# KiCad board TRS80_Model_I_Jap20_E1.kicad_pcb (continued)
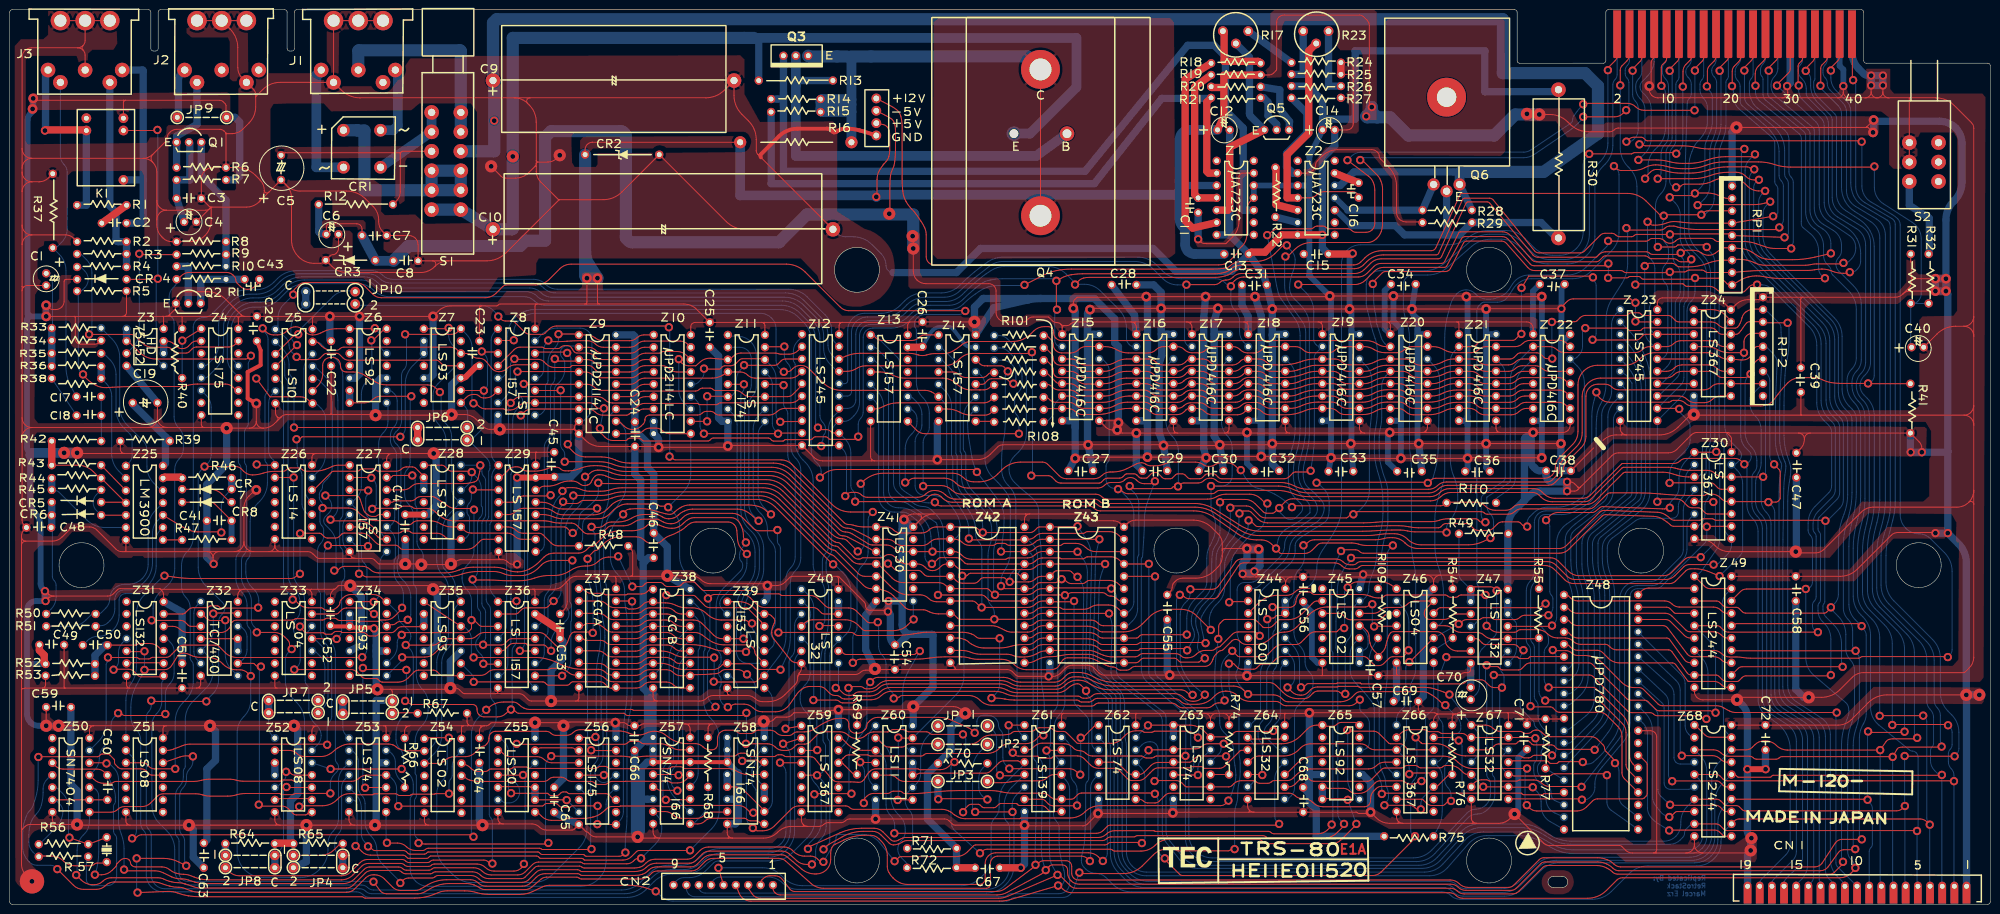
[diagram p0: board, top side]
## Routing (per net, layer and track width the routed paths; a pad name or vN(x,y) marks a point on that pad's centre or on a via; arc(x,y) is an arc through that point) (continued)
  Bottom w0.2: Z10.12 139.89,101.87 arc(139.83,101.88) 139.78,101.92 138.66,103.04 arc(137.79,104.34) 137.49,105.86 v2(137.49,112.13)
/Video/Video Latch/VD3: length 33.1
  Top w0.2: v2(150.9,110.89) 150.91,110.88 arc(150.93,110.87) 150.94,110.86 157.19,110.86 arc(157.57,110.94) 157.9,111.16 158.54,111.8 arc(158.94,112.07) 159.4,112.16 Z12.3 ; v2(143.3,99.33) Z10.11 ; v2(143.33,104.49) 147.44,104.49 arc(147.49,104.48) 147.53,104.45 Z11.6
  Bottom w0.2: v2(143.3,99.33) 143.3,104.45 arc(143.31,104.46) 143.32,104.48 v2(143.33,104.49) ; Z11.6 147.89,104.41 arc(148.18,104.47) 148.43,104.64 148.78,104.98 arc(149.2,105.62) 149.35,106.36 149.35,108.02 arc(149.55,109.03) 150.12,109.89 150.82,110.58 arc(150.88,110.67) 150.9,110.78 v2(150.9,110.89)
/Video/Video Latch/VD4: length 39.7
  Top w0.2: Z12.4 162.11,108.92 arc(161.34,108.4) 160.43,108.22 153.17,108.22 arc(152.34,108.39) 151.64,108.86 arc(150.93,109.33) 150.1,109.49 Z11.4 146.56,108.86 arc(145.49,108.38) 144.34,108.22 130.51,108.22 arc(129.68,108.06) 128.98,107.59 arc(128.28,107.12) 127.45,106.95 124.58,106.95
/Video/Video Latch/VD5: length 40.4
  Top w0.2: Z12.5 162.81,106.93 arc(162.78,106.79) 162.7,106.67 160.88,104.84 arc(160.4,104.52) 159.84,104.41 Z11.11 152.15,104.41 arc(151.32,104.58) 150.62,105.05 arc(149.92,105.52) 149.09,105.68 145.07,105.68 arc(144.75,105.75) 144.49,105.92 arc(144.22,106.1) 143.9,106.17 142.38,106.17 arc(141.99,106.09) 141.66,105.86 arc(141.32,105.64) 140.93,105.56 130.33,105.56 arc(129.58,105.41) 128.95,104.99 arc(128.31,104.56) 127.56,104.41 124.58,104.41
/Video/Video Latch/VD6: length 121.5
  Top w0.2: Z12.6 162.11,103.84 arc(161.34,103.32) 160.43,103.14 146.06,103.14 arc(145.81,103.09) 145.6,102.95 arc(145.39,102.81) 145.14,102.76 141.89,102.76 arc(141.72,102.8) 141.57,102.89 arc(141.43,102.99) 141.26,103.02 130.46,103.02 arc(129.71,102.87) 129.07,102.45 arc(128.43,102.02) 127.68,101.87 124.58,101.87
  Bottom w0.2: 124.58,101.87 123.82,101.11 arc(123.26,100.27) 123.06,99.27 123.06,83.79 arc(122.92,82.47) 122.52,81.2 arc(122.05,79.94) 121.72,78.64 121.57,77.84 arc(121.26,75.7) 121.16,73.54 121.16,69.44 arc(121.22,67.46) 121.41,65.49 arc(121.6,63.51) 121.66,61.53 121.66,60.89 arc(121.74,59.46) 121.98,58.06 arc(122.22,56.65) 122.3,55.23 122.3,54.82 arc(122.21,52.99) 121.94,51.17 121.92,51.07 arc(121.63,49.16) 121.54,47.23 121.54,36.61 arc(121.59,36.36) 121.73,36.15 arc(121.87,35.94) 121.92,35.69 121.92,30.52 arc(121.7,29.44) 121.09,28.53 120.81,28.24 arc(120.41,27.65) 120.27,26.94 arc(120.41,26.24) 120.81,25.64 120.96,25.49 arc(121.46,25.15) 122.05,25.04 arc(122.63,25.15) 123.13,25.49 124.07,26.43 arc(124.22,26.53) 124.39,26.56 124.58,26.56
/Video/Video Latch/VD7: length 121.5
  Top w0.2: 124.58,99.33 124.93,99.33 arc(125.24,99.27) 125.51,99.09 126.2,98.4 arc(127.03,97.85) 128,97.66 128.01,97.66 arc(128.98,97.85) 129.79,98.39 130.2,98.8 arc(130.44,99.17) 130.53,99.6 130.53,99.67 arc(130.6,100.04) 130.81,100.35 arc(131.12,100.56) 131.48,100.63 141.34,100.63 arc(141.84,100.73) 142.26,101.01 arc(142.69,101.29) 143.18,101.39 143.96,101.39 arc(144.46,101.29) 144.88,101.01 arc(145.3,100.73) 145.8,100.63 156,100.63 arc(156.9,100.81) 157.66,101.31 arc(158.42,101.82) 159.31,102 Z12.7 ; Z56.4 122.05,26.56 arc(122.07,26.57) 122.08,26.57 v2(122.1,26.59)
  Bottom w0.2: v2(122.1,26.59) 122.39,26.88 arc(122.6,27.2) 122.68,27.58 122.68,48.01 arc(122.73,49.42) 122.87,50.82 arc(123.01,52.22) 123.06,53.63 123.06,61.3 arc(122.93,63.5) 122.55,65.68 arc(122.17,67.85) 122.05,70.05 122.05,74.82 arc(122.16,76.46) 122.49,78.06 122.72,78.87 arc(123.02,79.6) 123.51,80.22 arc(124.05,80.81) 124.54,81.46 125.92,83.46 arc(126.28,84.13) 126.49,84.85 arc(126.59,85.62) 126.62,86.39 126.62,96.73 arc(126.42,97.73) 125.86,98.57 125.27,99.15 arc(125.07,99.29) 124.84,99.33 124.58,99.33
/Video/Video Latch/~{VCLR}: length 199.7
  Top w0.2: v2(119.56,11.35) 119.51,11.31 arc(119.47,11.27) 119.41,11.26 109.54,11.26 arc(109.37,11.3) 109.22,11.39 arc(109.08,11.49) 108.91,11.53 86,11.53 arc(85.7,11.47) 85.44,11.3 arc(85.19,11.13) 84.89,11.07 83.37,11.07 arc(82.38,11.27) 81.53,11.83 arc(80.69,12.39) 79.69,12.59 78.22,12.59 arc(78.18,12.6) 78.15,12.62 arc(78.13,12.64) 78.09,12.64 v2(77.52,12.64) ; v2(119.56,77.62) 119.61,77.57 arc(119.66,77.53) 119.73,77.51 120.92,77.51 arc(121.65,77.66) 122.27,78.07 arc(122.89,78.49) 123.62,78.63 125,78.63 arc(126.43,78.83) 127.76,79.41 arc(129.09,79.98) 130.52,80.18 132.48,80.18 arc(133.29,80.07) 134.03,79.74 134.21,79.63 arc(134.77,79.38) 135.38,79.29 135.48,79.29 arc(136.01,79.34) 136.51,79.48 arc(136.98,79.72) 137.38,80.05 137.42,80.09 arc(137.86,80.46) 138.36,80.75 138.64,80.89 arc(139.47,81.18) 140.34,81.27 149.56,81.27 arc(150.47,81.16) 151.31,80.84 arc(152.09,80.34) 152.79,79.74 153.55,78.98 arc(153.65,78.91) 153.77,78.89 v2(153.9,78.89) ; v2(120.37,34.41) 120.33,34.37 arc(120.29,34.34) 120.24,34.33 117.96,34.33 arc(117.86,34.31) 117.78,34.26 arc(117.69,34.2) 117.59,34.18 Z56.1
  Bottom w0.2: v2(153.9,78.89) 152.89,79.89 arc(152.15,81) 151.89,82.31 151.89,102.7 arc(152.09,103.7) 152.65,104.54 arc(153.22,105.38) 153.41,106.38 153.41,112.96 arc(153.12,114.45) 152.27,115.72 arc(151,116.56) 149.51,116.86 148.01,116.86 arc(147.84,116.89) 147.7,116.99 Z11.1 ; v2(119.56,11.35) 119.56,11.91 arc(119.53,12.02) 119.47,12.12 arc(119.4,12.22) 119.38,12.34 119.38,26.92 arc(119.59,28) 120.2,28.91 arc(120.81,29.83) 121.03,30.9 121.03,33.28 arc(120.94,33.71) 120.7,34.08 v2(120.37,34.41) 120.37,34.6 arc(120.4,34.78) 120.5,34.93 120.58,35.01 arc(120.61,35.07) 120.58,35.13 arc(120.54,35.2) 120.52,35.29 120.52,46.96 arc(120.63,49.03) 120.97,51.07 121.04,51.43 arc(121.32,53.11) 121.41,54.82 121.41,55.29 arc(121.33,56.52) 121.09,57.74 arc(120.85,58.96) 120.78,60.19 120.78,62.17 arc(120.71,63.77) 120.52,65.36 arc(120.33,66.95) 120.27,68.56 120.27,75.84 arc(120.17,76.31) 119.91,76.7 119.75,76.86 arc(119.61,77.08) 119.56,77.34 v2(119.56,77.62) ; v2(77.52,12.64) 77.43,12.73 arc(77.36,12.83) 77.34,12.95 Z53.8
/Video/Video Mixer/SYNC: length 104.1
  Top w0.2: Z32.3 37.21,57.17 arc(36.93,57.23) 36.69,57.38 36.08,57.99 arc(35.64,58.29) 35.13,58.39 29.2,58.39 arc(29.18,58.39) 29.17,58.4 v2(29.16,58.41) ; C43.2 51.31,128.29 arc(51.26,128.05) 51.13,127.86 50.38,127.11 arc(49.69,126.65) 48.88,126.49 arc(48.07,126.65) 47.38,127.11 46.74,127.75 arc(46.53,128.07) 46.45,128.44 arc(46.38,128.82) 46.17,129.14 45.9,129.41 arc(45.28,129.82) 44.55,129.97 36.95,129.97 arc(36.03,129.78) 35.24,129.25 34.61,128.63 arc(34.52,128.56) 34.41,128.54 R11.1
  Bottom w0.2: v2(29.16,58.41) 29.31,58.57 arc(29.42,58.73) 29.46,58.93 29.46,60.86 arc(29.89,62.81) 31.09,64.41 32.21,65.37 arc(33.46,67.03) 33.91,69.06 33.91,89.44 arc(34.14,90.6) 34.8,91.59 arc(35.45,92.57) 35.69,93.73 35.69,95.7 arc(35.44,96.94) 34.73,98 arc(34.03,99.05) 33.78,100.3 33.78,119.57 arc(33.65,120.23) 33.27,120.8 arc(32.9,121.36) 32.76,122.02 32.76,124.93 arc(32.96,125.92) 33.53,126.77 33.93,127.17 arc(34.19,127.57) 34.29,128.03 R11.1
/Video/Video Mode/HCLK: length 255.6
  Top w0.2: v2(147.57,40.56) 147.81,40.56 arc(148.04,40.6) 148.23,40.73 148.36,40.86 arc(148.7,41.09) 149.1,41.17 150.88,41.17 arc(151.91,40.96) 152.78,40.38 arc(153.65,39.8) 154.68,39.59 157.4,39.59 arc(158.28,39.71) 159.1,40.06 arc(159.82,40.6) 160.41,41.29 161.53,42.95 arc(162.11,43.65) 162.79,44.25 arc(163.57,44.66) 164.44,44.8 166.28,44.8 arc(167.04,44.65) 167.69,44.22 168.46,43.44 arc(169.01,43.07) 169.66,42.94 169.85,42.94 arc(170.32,42.85) 170.71,42.59 arc(171.11,42.33) 171.57,42.23 172.9,42.23 arc(173.29,42.31) 173.63,42.54 arc(173.97,42.76) 174.37,42.84 176.79,42.84 arc(177.93,43.07) 178.9,43.72 arc(179.87,44.37) 181.02,44.6 202.81,44.6 arc(203.93,44.46) 204.98,44.05 arc(206.03,43.64) 207.15,43.5 215.25,43.5 arc(215.88,43.57) 216.48,43.78 216.62,43.85 arc(217.04,44.1) 217.42,44.41 arc(217.79,44.73) 218.21,44.98 218.55,45.16 arc(218.96,45.31) 219.39,45.36 arc(219.8,45.28) 220.15,45.04 221.15,44.05 arc(221.17,44.01) 221.18,43.96 v2(221.18,43.91) ; v2(66.7,68.65) 67.03,68.65 arc(67.33,68.71) 67.59,68.88 67.79,69.08 arc(68.27,69.4) 68.83,69.51 72.48,69.51 arc(73.36,69.34) 74.1,68.84 arc(74.85,68.34) 75.73,68.17 89.42,68.17 arc(90.9,68.31) 92.33,68.75 arc(93.75,69.19) 95.24,69.34 99.6,69.34 arc(100.81,69.21) 101.98,68.85 arc(103.15,68.49) 104.36,68.37 104.39,68.37 arc(105.62,68.52) 106.79,68.96 106.82,68.98 arc(107.92,69.67) 108.9,70.51 109.79,71.41 arc(110.23,71.76) 110.72,72.02 arc(111.26,72.18) 111.82,72.23 116.88,72.23 arc(117.78,72.41) 118.54,72.92 118.97,73.34 arc(119.25,73.54) 119.59,73.6 arc(119.93,73.67) 120.22,73.86 121.59,75.23 arc(123.36,76.41) 125.44,76.83 127.87,76.83 arc(128.76,76.91) 129.63,77.13 129.94,77.24 arc(130.44,77.49) 130.88,77.84 arc(131.33,78.15) 131.87,78.25 132.07,78.25 arc(132.83,78.18) 133.56,77.96 134.36,77.64 arc(135.14,77.41) 135.95,77.34 136.14,77.34 arc(136.76,77.4) 137.35,77.6 arc(137.9,77.9) 138.38,78.31 138.58,78.51 arc(139.04,78.9) 139.55,79.23 arc(140.1,79.45) 140.69,79.52 148.23,79.52 arc(148.96,79.38) 149.58,78.96 arc(150.06,78.36) 150.4,77.66 150.55,77.22 arc(150.72,76.59) 150.77,75.94 150.77,75.64 arc(150.84,75.31) 151.03,75.03 151.15,74.9 arc(151.25,74.76) 151.28,74.59 v2(151.28,74.42) ; v2(64.87,84.07) 71.12,84.07 arc(71.42,84.01) 71.68,83.84 arc(71.87,83.59) 72.01,83.3 72.71,81.13 arc(72.84,80.85) 73.03,80.61 arc(73.26,80.39) 73.5,80.19 73.65,80.08 arc(74.07,79.85) 74.54,79.78 75.06,79.78 arc(75.31,79.82) 75.52,79.97 arc(75.74,80.11) 75.98,80.16 Z27.12
  Bottom w0.2: v2(147.57,40.56) 147.37,40.56 arc(147.18,40.59) 147.02,40.7 146.54,41.18 arc(146.08,41.87) 145.92,42.68 145.92,44.54 arc(145.95,44.71) 146.05,44.85 arc(146.14,44.99) 146.18,45.16 146.18,46.27 arc(146.11,46.6) 145.92,46.88 arc(145.73,47.16) 145.67,47.5 145.67,48.68 arc(145.73,49.01) 145.92,49.29 arc(146.11,49.58) 146.18,49.91 146.18,50.74 arc(146.04,51.4) 145.67,51.96 arc(145.29,52.52) 145.16,53.19 145.16,61.27 arc(145.57,63.35) 146.75,65.11 150.17,68.53 arc(150.5,69.03) 150.62,69.62 150.62,69.8 arc(150.54,70.22) 150.3,70.57 arc(150.07,70.92) 149.99,71.33 149.99,71.87 arc(150.15,72.72) 150.63,73.44 151.16,73.97 arc(151.25,74.1) 151.28,74.25 v2(151.28,74.42) ; v2(66.7,68.65) 66.88,68.83 arc(67.01,69.02) 67.05,69.26 67.05,74.04 arc(66.72,75.7) 65.78,77.11 64.87,78.02 arc(64.61,78.42) 64.51,78.89 arc(64.61,79.36) 64.87,79.75 65.54,80.42 arc(66,81.11) 66.16,81.93 66.16,81.94 arc(66,82.76) 65.54,83.45 64.94,84.05 arc(64.92,84.06) 64.9,84.07 v2(64.87,84.07) ; v2(221.18,43.91) 221.18,43.58 arc(221.24,43.27) 221.41,43.02 221.78,42.65 arc(222.22,41.99) 222.38,41.21 222.38,33.07 arc(222.47,32.57) 222.76,32.15 222.91,31.99 arc(223.16,31.83) 223.45,31.77 Z62.3
Net-(C1-Pad1): length 19.6
  Bottom w0.2: C1.1 8.14,129.12 arc(8.62,128.4) 8.79,127.55 8.79,118.78 arc(8.77,118.68) 8.71,118.59 arc(8.65,118.5) 8.63,118.4
  Bottom w1.5: 8.63,118.4 R36.2
Net-(C2-Pad1): length 6.3
  Top w1.5: R1.1 C2.1
Net-(C2-Pad2): length 43.2
  Bottom w1.5: 27.43,149 27.43,171.38 arc(27.41,171.46) 27.37,171.53 27.33,171.56 arc(27.3,171.59) 27.26,171.6 J3.3 ; 27.43,149 27.43,140.1 C2.2 ; 27.43,149 27.42,148.99 K1.3
Net-(C5-Pad2): length 42.9
  Top w0.2: 80.26,154.36 80.26,146.55 arc(80.06,145.56) 79.5,144.71 R12.2 ; 80.26,154.36 arc(80.3,154.56) 80.41,154.73 ; 80.26,154.36 arc(80.2,154.52) 80.05,154.58 ; C5.2 56.01,154.32 arc(56.29,154.51) 56.62,154.58 80.05,154.58 ; S1.10 80.78,154.88 arc(80.58,154.84) 80.41,154.73 ; 80.05,154.58 arc(80.25,154.62) 80.41,154.73
Net-(C17-Pad2): length 9.2
  Bottom w0.2: R42.1 18.81,95.29 arc(18.82,95.3) 18.83,95.33 18.83,100.51 arc(18.82,100.53) 18.81,100.55 arc(18.8,100.57) 18.79,100.59 C17.2
Net-(C18-Pad2): length 9.2
  Bottom w0.2: R38.1 C18.2
Net-(C40-Pad1): length 218.1
  Top w0.2: v2(383.18,151.76) 383.12,151.7 arc(383.05,151.65) 382.97,151.63 365.91,151.63 arc(364.26,151.77) 362.65,152.17 arc(361.04,152.56) 359.38,152.7 352.3,152.7 arc(350.42,152.52) 348.61,152 arc(346.8,151.48) 344.92,151.3 343.78,151.3 arc(342.28,151.4) 340.8,151.7 340.42,151.8 arc(339.33,152.02) 338.22,152.09 arc(337.14,151.96) 336.12,151.57 336,151.5 arc(334.86,151.07) 333.65,150.92 331.23,150.92 arc(330.63,151.04) 330.12,151.38 v2(329.66,151.83)
  Bottom w0.2: C40.1 390.73,114.66 arc(390.67,114.75) 390.65,114.86 390.65,123.08 ; v2(329.66,151.83) 330.19,151.31 arc(330.57,150.74) 330.71,150.06 330.71,138.19 arc(330.29,136.11) 329.11,134.34 325.04,130.27 arc(323.28,129.09) 321.19,128.68 312.66,128.68 arc(311.54,128.53) 310.51,128.08 arc(309.61,127.39) 308.89,126.51 308.01,125.11 arc(307.02,124.18) 305.71,123.84 302.95,123.84 arc(302.77,123.82) 302.61,123.75 arc(302.46,123.64) 302.32,123.52 301.97,123.18 arc(301.62,122.65) 301.5,122.03 301.5,66.07 arc(301.55,65.83) 301.69,65.61 arc(301.83,65.4) 301.88,65.15 301.88,59.34 arc(301.71,58.51) 301.24,57.8 300.74,57.3 arc(300.59,57.2) 300.42,57.17 Z47.4 ; 390.65,123.08 arc(390.8,123.44) 391.16,123.59 ; 390.65,123.08 arc(390.8,123.44) 391.16,123.59 ; v2(383.18,151.76) 383.18,147.48 arc(383.67,145.55) 385.03,144.09 390.96,140.27 arc(392.32,138.82) 392.81,136.88 392.81,125.54 arc(392.66,124.79) 392.24,124.16 392.03,123.95 arc(391.63,123.68) 391.16,123.59 ; 391.16,123.59 R32.1
Net-(C50-Pad1): length 19.8
  Top w0.2: Z31.10 31.52,52.09 arc(31.43,52.11) 31.35,52.16 30.64,52.86 arc(29.79,53.44) 28.77,53.64 26.65,53.64 arc(26.43,53.6) 26.25,53.47 arc(26.07,53.35) 25.85,53.31 20.13,53.31 arc(20.12,53.31) 20.11,53.3 C50.1
  Bottom w1.5: C50.1 19.61,53.29 17.52,51.2 R52.1 R53.2
Net-(C50-Pad2): length 33.7
  Bottom w0.2: Z25.9 30.8,76.79 arc(30.28,76.02) 30.1,75.1 30.1,69.58 arc(29.68,67.5) 28.5,65.74 27.88,65.11 arc(26.54,64.22) 24.95,63.9 23.78,63.9 arc(23.28,63.8) 22.86,63.52 arc(22.58,63.1) 22.48,62.6 22.48,59.47 arc(22.15,57.81) 21.21,56.41 21.02,56.22 arc(19.82,55.42) 18.4,55.14 18.18,55.14 arc(16.97,54.9) 15.94,54.21 C50.2
Net-(C57-Pad2): length 42
  Top w0.2: Z47.6 297.55,52.09 arc(296.57,52.28) 295.74,52.84 295.5,53.08 arc(295.12,53.64) 294.99,54.3 arc(294.86,54.96) 294.49,55.51 294.46,55.54 arc(293.87,55.94) 293.17,56.08 284.37,56.08 arc(284.05,56.01) 283.77,55.83 arc(283.56,55.56) 283.4,55.25 283.2,54.71 arc(282.96,53.98) 282.8,53.24 arc(282.57,52.55) 282.14,51.96 281.33,51.15 arc(281.27,51.06) 281.25,50.96 C57.2 ; Z45.11 277.61,57.3 arc(277.83,57.25) 278.02,57.13 278.89,56.26 arc(279.23,55.75) 279.35,55.15 arc(279.39,54.51) 279.51,53.87 279.57,53.62 arc(279.9,52.8) 280.44,52.09 280.88,51.65 arc(281.1,51.32) 281.18,50.94 281.18,50.52
  Bottom w0.2: Z45.11 278.25,56.41 arc(278.91,55.42) 279.14,54.26 279.14,53.52 arc(279.04,53.02) 278.76,52.6 278.74,52.58 arc(278.34,52.31) 277.87,52.22 arc(277.51,52.07) 277.37,51.71
  Bottom w1.5: 277.37,51.71 Z45.8
Net-(C60-Pad1): length 46.6
  Top w0.2: Z50.3 9.41,28.45 arc(10.13,27.97) 10.97,27.81 17.94,27.81 arc(18.75,27.64) 19.44,27.18 C60.1
  Bottom w0.2: 16.13,9.93 15.94,9.73 arc(15.8,9.52) 15.75,9.27 15.75,5.13 arc(15.85,4.63) 16.13,4.21 arc(16.55,3.93) 17.05,3.83 20.02,3.83 arc(20.76,3.98) 21.4,4.4 arc(21.82,5.03) 21.97,5.78 21.97,13.54 arc(21.89,13.95) 21.65,14.31 arc(21.42,14.66) 21.33,15.07 21.33,20.2 arc(21.38,20.45) 21.52,20.66 arc(21.67,20.87) 21.71,21.12 21.71,21.99 arc(21.59,23.1) 21.22,24.16 C60.1
Net-(C60-Pad2): length 23.5
  Top w0.2: C60.2 8.76,21.48
  Bottom w0.2: 5.97,12.34 6.03,12.34 arc(6.09,12.35) 6.14,12.38 9.43,15.68 arc(10.07,16.46) 10.54,17.35 10.61,17.54 arc(10.84,18.32) 10.92,19.13 arc(10.77,19.9) 10.34,20.54 9.62,21.26 arc(9.37,21.42) 9.08,21.48 8.76,21.48
Net-(C70-Pad1): length 45.1
  Top w0.2: 300.23,64.79 300.48,65.04 arc(300.76,65.23) 301.09,65.3 304.26,65.3 arc(304.76,65.2) 305.18,64.92 v2(305.56,64.53)
  Bottom w0.2: R49.2 297.81,67.94 arc(297.95,67.26) 298.34,66.68 300.23,64.79 ; v2(305.56,64.53) 305.56,56.24 arc(305.43,55.57) 305.05,55.01 302.58,52.53 arc(302.15,51.9) 302,51.15 302,44.81 arc(301.83,43.94) 301.34,43.21 C70.1
  Bottom w1.5: 300.23,64.79 300.23,62.25
Net-(CR1-+): length 50.3
  Bottom w2.5: CR1.1 71.39,159.21 arc(71.43,159.21) 71.47,159.18 arc(71.5,159.16) 71.54,159.15 72.9,159.15 72.9,147.01 arc(72.91,146.96) 72.93,146.92 arc(72.98,146.89) 73.03,146.88 S1.8 ; S1.8 S1.5 S1.4 S1.9 S1.8
Net-(CR1--): length 16.8
  Bottom w2: S1.12 S1.11 CR1.4
Net-(CR1-Pad2): length 15.6
  Bottom w2: J1.3 79.5,171.34 arc(79.69,171.06) 79.75,170.73 79.75,160.16 78.81,159.21 CR1.2
Net-(CR1-Pad3): length 27
  Bottom w2: CR1.3 63,151.59 63,170.59 J1.1 63.75,171.34 arc(63.56,171.06) 63.5,170.73
Net-(CR4-A): length 62.7
  Top w0.2: v2(30.35,159.28) 30.29,159.21 arc(30.22,159.17) 30.13,159.15 K1.2 ; CR4.2 30.21,128.54 arc(30.29,128.56) 30.36,128.61 v2(30.43,128.67)
  Bottom w0.2: 31.62,110.76 30.86,111.53 arc(30.3,112.37) 30.1,113.36 30.1,127.93 arc(30.14,128.14) 30.26,128.33 30.36,128.43 arc(30.41,128.5) 30.43,128.58 v2(30.43,128.67) 30.43,159.15 arc(30.42,159.2) 30.39,159.24 v2(30.35,159.28)
Net-(CR5-A): length 28.1
  Top w0.2: CR5.2 23.66,82.7 arc(23.74,82.68) 23.81,82.63 18.89,87.55 arc(18.78,87.62) 18.65,87.65 arc(18.53,87.67) 18.42,87.75 17.18,88.98 arc(15.7,89.97) 13.96,90.32 R43.1
  Top w1.5: R43.1 R42.2
Net-(CR5-K): length 24
  Bottom w0.2: R50.1 8.51,60.72 arc(9.26,61.85) 9.52,63.18 9.52,65.65 arc(9.42,66.14) 9.14,66.57 arc(8.86,66.99) 8.76,67.49 8.76,77.06 arc(8.73,77.22) 8.63,77.36 8.57,77.43
  Bottom w1.5: CR5.1 8.63,77.71 arc(8.62,77.62) 8.57,77.55 arc(8.54,77.49) 8.57,77.43
Net-(CR6-A): length 11.5
  Top w0.2: CR6.2 Z25.5
  Bottom w0.2: R45.2 17.82,84.26 arc(17.32,83.51) 17.14,82.63 arc(17.32,81.75) 17.82,81.01 CR6.2
Net-(CR7-A): length 55.4
  Top w0.2: Z25.10 35.11,77.86 arc(35.95,77.39) 36.83,76.98 arc(37.74,76.7) 38.68,76.6 43.27,76.6 arc(43.35,76.58) 43.42,76.54 v2(43.48,76.47)
  Bottom w0.2: CR7.2 44.54,84.31 arc(43.76,83.14) 43.48,81.76 v2(43.48,76.47) ; Z25.10 30.41,78.95 arc(29.62,77.75) 29.34,76.34 29.34,70.22 arc(28.92,68.14) 27.74,66.37 27.2,65.83 arc(25.91,64.97) 24.38,64.66 23.54,64.66 arc(22.79,64.51) 22.16,64.09 arc(21.74,63.46) 21.59,62.71 21.59,60.76 arc(21.32,59.44) 20.57,58.31 20.18,57.92 arc(19.49,57.46) 18.67,57.3 17.87,57.3 arc(17.78,57.28) 17.71,57.23 R51.2
  Bottom w1.5: CR7.2 R46.1
Net-(CR7-K): length 11.1
  Top w0.2: CR8.2 45.43,82.7 arc(45.27,82.73) 45.14,82.81 43.61,84.35 arc(42.48,85.1) 41.16,85.36 35.43,85.36
Net-(CR8-K): length 15.6
  Top w0.2: C41.2 42.16,82.32 arc(41.74,82.6) 41.24,82.7 35.43,82.7
  Bottom w1.2: C41.2 R47.1
Net-(J1-Pad2): length 41.8
  Bottom w2.5: S1.2 S1.1 92.7,175.46 arc(92.68,175.54) 92.64,175.6 arc(92.57,175.64) 92.5,175.66 71.75,175.66 arc(71.66,175.62) 71.63,175.53 J1.2
Net-(J3-Pad1): length 38.5
  Top w1.5: K1.4 15.68,159.21 arc(15.61,159.26) 15.53,159.28 7.45,159.28 arc(7.37,159.26) 7.3,159.21 v2(7.24,159.15)
  Bottom w1.5: v2(7.24,159.15) 7.3,159.21 arc(7.35,159.28) 7.36,159.37 7.36,170.73 arc(7.43,171.06) 7.62,171.34 J3.1 ; R1.2 15.75,143.78 K1.4
Net-(JP1-B): length 28.6
  Bottom w0.2: R71.1 184.64,11.51 arc(184.83,11.55) 184.99,11.66 185.2,11.86 arc(185.45,12.25) 185.54,12.7 185.54,17.61 arc(185.35,18.61) 184.78,19.45 arc(184.22,20.29) 184.02,21.29 184.02,21.42 arc(184.22,22.42) 184.78,23.26 186.37,24.85 arc(186.98,25.76) 187.2,26.84 187.2,30.91 arc(187.61,32.99) 188.79,34.76 190.74,36.71 arc(190.75,36.72) 190.75,36.74 190.75,36.77
Net-(JP3-B): length 35.8
  Top w0.2: Z60.5 180.77,26.56 arc(181.61,26.39) 182.33,25.91 arc(183.05,25.43) 183.9,25.27 190.65,25.27 arc(190.69,25.26) 190.72,25.24 190.75,25.21 ; v2(190.83,21.61) 190.88,21.66 arc(190.94,21.7) 191,21.71 200.65,21.71 arc(200.75,21.69) 200.84,21.63 v2(200.91,21.56)
  Bottom w0.2: R70.1 200.02,28.09 arc(199.37,27.1) 199.13,25.94 199.13,24.03 arc(199.32,23.08) 199.86,22.28 200.47,21.67 arc(200.59,21.59) 200.75,21.56 v2(200.91,21.56)
  Bottom w1.5: 190.75,25.16 190.75,21.74 arc(190.76,21.69) 190.79,21.65 v2(190.83,21.61)
Net-(JP4-A-Pad1): length 11
  Top w0.2: JP4.1 63.8,10.05 arc(65.37,10.37) 66.71,11.26 67.73,12.28 arc(67.94,12.42) 68.18,12.47 R65.1
Net-(JP4-B): length 20.8
  Bottom w0.2: Z53.4 68.96,25.8 arc(68.4,24.96) 68.2,23.96 68.2,16.12 arc(68.02,15.21) 67.5,14.43 arc(66.98,13.66) 66.8,12.75 66.8,11.79 arc(66.93,11.12) 67.31,10.56 67.59,10.28 arc(67.84,10.11) 68.13,10.05
  Bottom w1.5: JP4.2 68.45,9.73 arc(68.36,9.96) 68.13,10.05
Net-(JP5-A-Pad3): length 5.3
  Top w0.2: 78.61,39.39 83.6,39.39 arc(83.68,39.37) 83.75,39.33 R67.1
Net-(JP5-B): length 8.2
  Bottom w0.2: Z53.1 69.09,34.82 arc(68.62,35.52) 68.45,36.35 68.45,39.39
  Bottom w1.5: 68.45,39.39 68.45,41.93
Net-(JP6-B): length 46.9
  Top w0.2: v2(58.42,98.06) 83.94,98.06
  Top w1.5: JP6.2 JP6.2
  Bottom w0.2: v2(58.42,98.06) 58.42,107.25 arc(58.29,107.91) 57.91,108.48 arc(57.53,109.04) 57.4,109.7 57.4,110.95 arc(57.04,112.77) 56.01,114.31 Z5.2
Net-(JP7-A-Pad3): length 12.1
  Bottom w0.2: Z33.10 62.42,52.09 arc(62.71,52.03) 62.96,51.86 63.75,51.07 arc(64.5,49.95) 64.77,48.62 64.77,43.88 arc(64.62,43.13) 64.2,42.5 63.71,42.02 arc(63.62,41.95) 63.5,41.93 63.37,41.93
Net-(JP7-B): length 8.2
  Bottom w0.2: Z52.1 53.85,34.82 arc(53.38,35.52) 53.21,36.35 JP7.2
  Bottom w1.5: JP7.2 JP7.2
Net-(JP8-A-Pad1): length 2.4
  Bottom w1.5: 44.32,12.47 44.32,10.03
Net-(JP8-B): length 22.6
  Top w0.2: v2(56.87,24.12) 56.92,24.07 arc(56.98,24.04) 57.04,24.02 Z52.10
  Bottom w0.2: v2(56.87,24.12) 56.56,23.82 arc(56.34,23.48) 56.26,23.08 56.26,13.07 arc(56.03,11.9) 55.37,10.92 54.93,10.47 arc(54.6,9.98) 54.48,9.4
  Bottom w1.5: 54.48,9.4 54.48,7.49
Net-(JP9-B): length 10.3
  Bottom w1.5: J2.1 35.3,170.96 arc(34.83,170.26) 34.67,169.43 34.67,162.51 arc(34.62,162.26) 34.48,162.05 34.29,161.86
Net-(JP10-A-Pad3): length 296.6
  Top w0.2: v2(100.4,120.9) 100.95,120.35 arc(101.36,120.08) 101.84,119.98 102.94,119.98 arc(103.48,119.88) 103.94,119.57 105.78,117.73 arc(106.33,117.36) 106.99,117.23 109.44,117.23 arc(109.74,117.29) 110,117.46 110.86,118.32 arc(111.55,118.78) 112.36,118.94 135.02,118.94 arc(135.19,118.91) 135.33,118.81 v2(135.46,118.69) ; v2(280.01,61.72) 279.77,61.72 arc(279.54,61.67) 279.35,61.54 279.25,61.44 arc(278.94,61.23) 278.57,61.16 270.86,61.16 arc(268.77,60.74) 267.01,59.56 264.5,57.05 arc(263.31,56.26) 261.9,55.98 arc(260.49,55.7) 259.3,54.9 259.1,54.71 arc(257.7,53.77) 256.04,53.44 254.18,53.44 arc(253.5,53.57) 252.92,53.96 252.73,54.14 arc(252.36,54.39) 251.93,54.48 arc(251.49,54.39) 251.13,54.14 249.34,52.35 arc(249.13,52.21) 248.88,52.17 arc(248.63,52.12) 248.42,51.98 247.87,51.42 arc(247.49,50.93) 247.24,50.37 247.22,50.32 arc(246.99,49.8) 246.64,49.35 arc(246.18,49.05) 245.64,48.94 231.36,48.94 arc(230.85,48.84) 230.41,48.55 arc(229.98,48.25) 229.46,48.15 228.3,48.15 arc(227.87,48.24) 227.51,48.48 arc(227.14,48.73) 226.71,48.81 226.68,48.81 arc(226.19,48.86) 225.73,49 225.3,49.18 arc(224.42,49.57) 223.57,50.02 223.39,50.12 arc(222.34,50.55) 221.21,50.69 217.38,50.69 arc(216.9,50.6) 216.49,50.32 arc(216.15,49.93) 215.87,49.5 215.65,49.12 arc(215.33,48.72) 214.91,48.46 arc(214.41,48.3) 213.9,48.25 208.97,48.25 arc(207.58,48.53) 206.4,49.32 arc(205.22,50.11) 203.82,50.39 198.98,50.39 arc(198.13,50.45) 197.29,50.64 arc(196.46,50.83) 195.6,50.9 192.17,50.9 arc(190.63,50.83) 189.1,50.65 arc(187.57,50.47) 186.03,50.41 174.79,50.41 arc(174.31,50.32) 173.9,50.04 173.63,49.77 arc(173.52,49.7) 173.39,49.68 v2(173.25,49.68) ; v2(177.34,80.69) 172.79,80.69 arc(170.71,81.1) 168.94,82.28 160.73,90.49 arc(159.72,91.17) 158.52,91.41 136.75,91.41 arc(136.59,91.44) 136.45,91.54 136,91.99 arc(135.88,92.07) 135.74,92.09 v2(135.58,92.09) ; v2(280.39,57.14) 280.41,57.17 arc(280.44,57.19) 280.48,57.19 284.41,57.19 arc(284.47,57.21) 284.53,57.25 arc(284.59,57.28) 284.65,57.3 Z46.4
  Bottom w0.2: v2(100.4,120.9) 100.4,121 arc(100.39,121.09) 100.33,121.17 99.35,122.15 arc(98.18,122.94) 96.81,123.21 71.72,123.21 arc(71.44,123.26) 71.2,123.42 70.99,123.63 ; v2(135.58,92.09) 135.61,92.12 arc(135.63,92.15) 135.63,92.18 135.63,118.38 arc(135.61,118.5) 135.55,118.6 v2(135.46,118.69) ; v2(177.34,80.69) 176.87,80.22 arc(176.52,79.7) 176.4,79.09 176.4,72.5 arc(176.1,71.01) 175.26,69.74 arc(174.41,68.48) 174.12,66.98 174.12,56.89 arc(174,56.33) 173.68,55.85 arc(173.36,55.37) 173.25,54.81 v2(173.25,49.68) ; v2(280.39,57.14) 280.2,57.33 arc(280.06,57.55) 280.01,57.79 v2(280.01,61.72)
Net-(JP10-B): length 19
  Top w0.2: Z5.4 58.99,115.02 arc(59,115.03) 59.01,115.03 v2(59.03,115.03)
  Bottom w0.2: v2(59.03,115.03) 59,115.03 arc(58.98,115.03) 58.96,115.05 58.38,115.63 arc(57.94,116.29) 57.78,117.07 57.78,118.32 arc(58.17,120.26) 59.26,121.9 JP10.2 ; 60.83,123.34 60.83,123.63
  Bottom w1.5: 60.83,126.13 60.83,123.59
Net-(Q1-B): length 27.6
  Bottom w1.5: 39.37,156.74 39.37,149.88 44.45,144.8 R8.1 R10.2
Net-(Q1-C): length 19.4
  Bottom w1.5: C4.1 C3.1 R7.2 36.99,148.99 37,149 37,156.56 36.83,156.74
Net-(Q1-E): length 19.9
  Bottom w1.5: J2.4 38.48,160.42 34.29,158.01 R6.1
Net-(Q2-B): length 14
  Bottom w1.5: C43.1 R11.2 39.34,128.54 39.27,128.54 arc(39.25,128.53) 39.24,128.51 39.24,128.45 Q2.3
